# Altium PCB KlusterLab r2.0.PcbDoc (part 22 of 22)
Units mm, origin at the board's own origin, x right, y up, seen from the top; angles counter-clockwise.
Board outline 232 x 250 mm, 12 copper layers (L1 Top, L2 Inner1 (GND), L3 Inner2 (Sig), L4 Inner3 (GND), L5 Inner4 (PWR), L6 Inner5 (PWR), L7 Inner6 (PWR), L8 Inner7 (PWR), L9 Inner8 (GND), L10 Inner9 (Sig), L11 Inner10 (GND), L12 Bottom), stack 1.614 mm thick; 1169 components, 852 nets, 4679 pads, 5115 vias.
Unrouted connection lines stored in the file: 1.
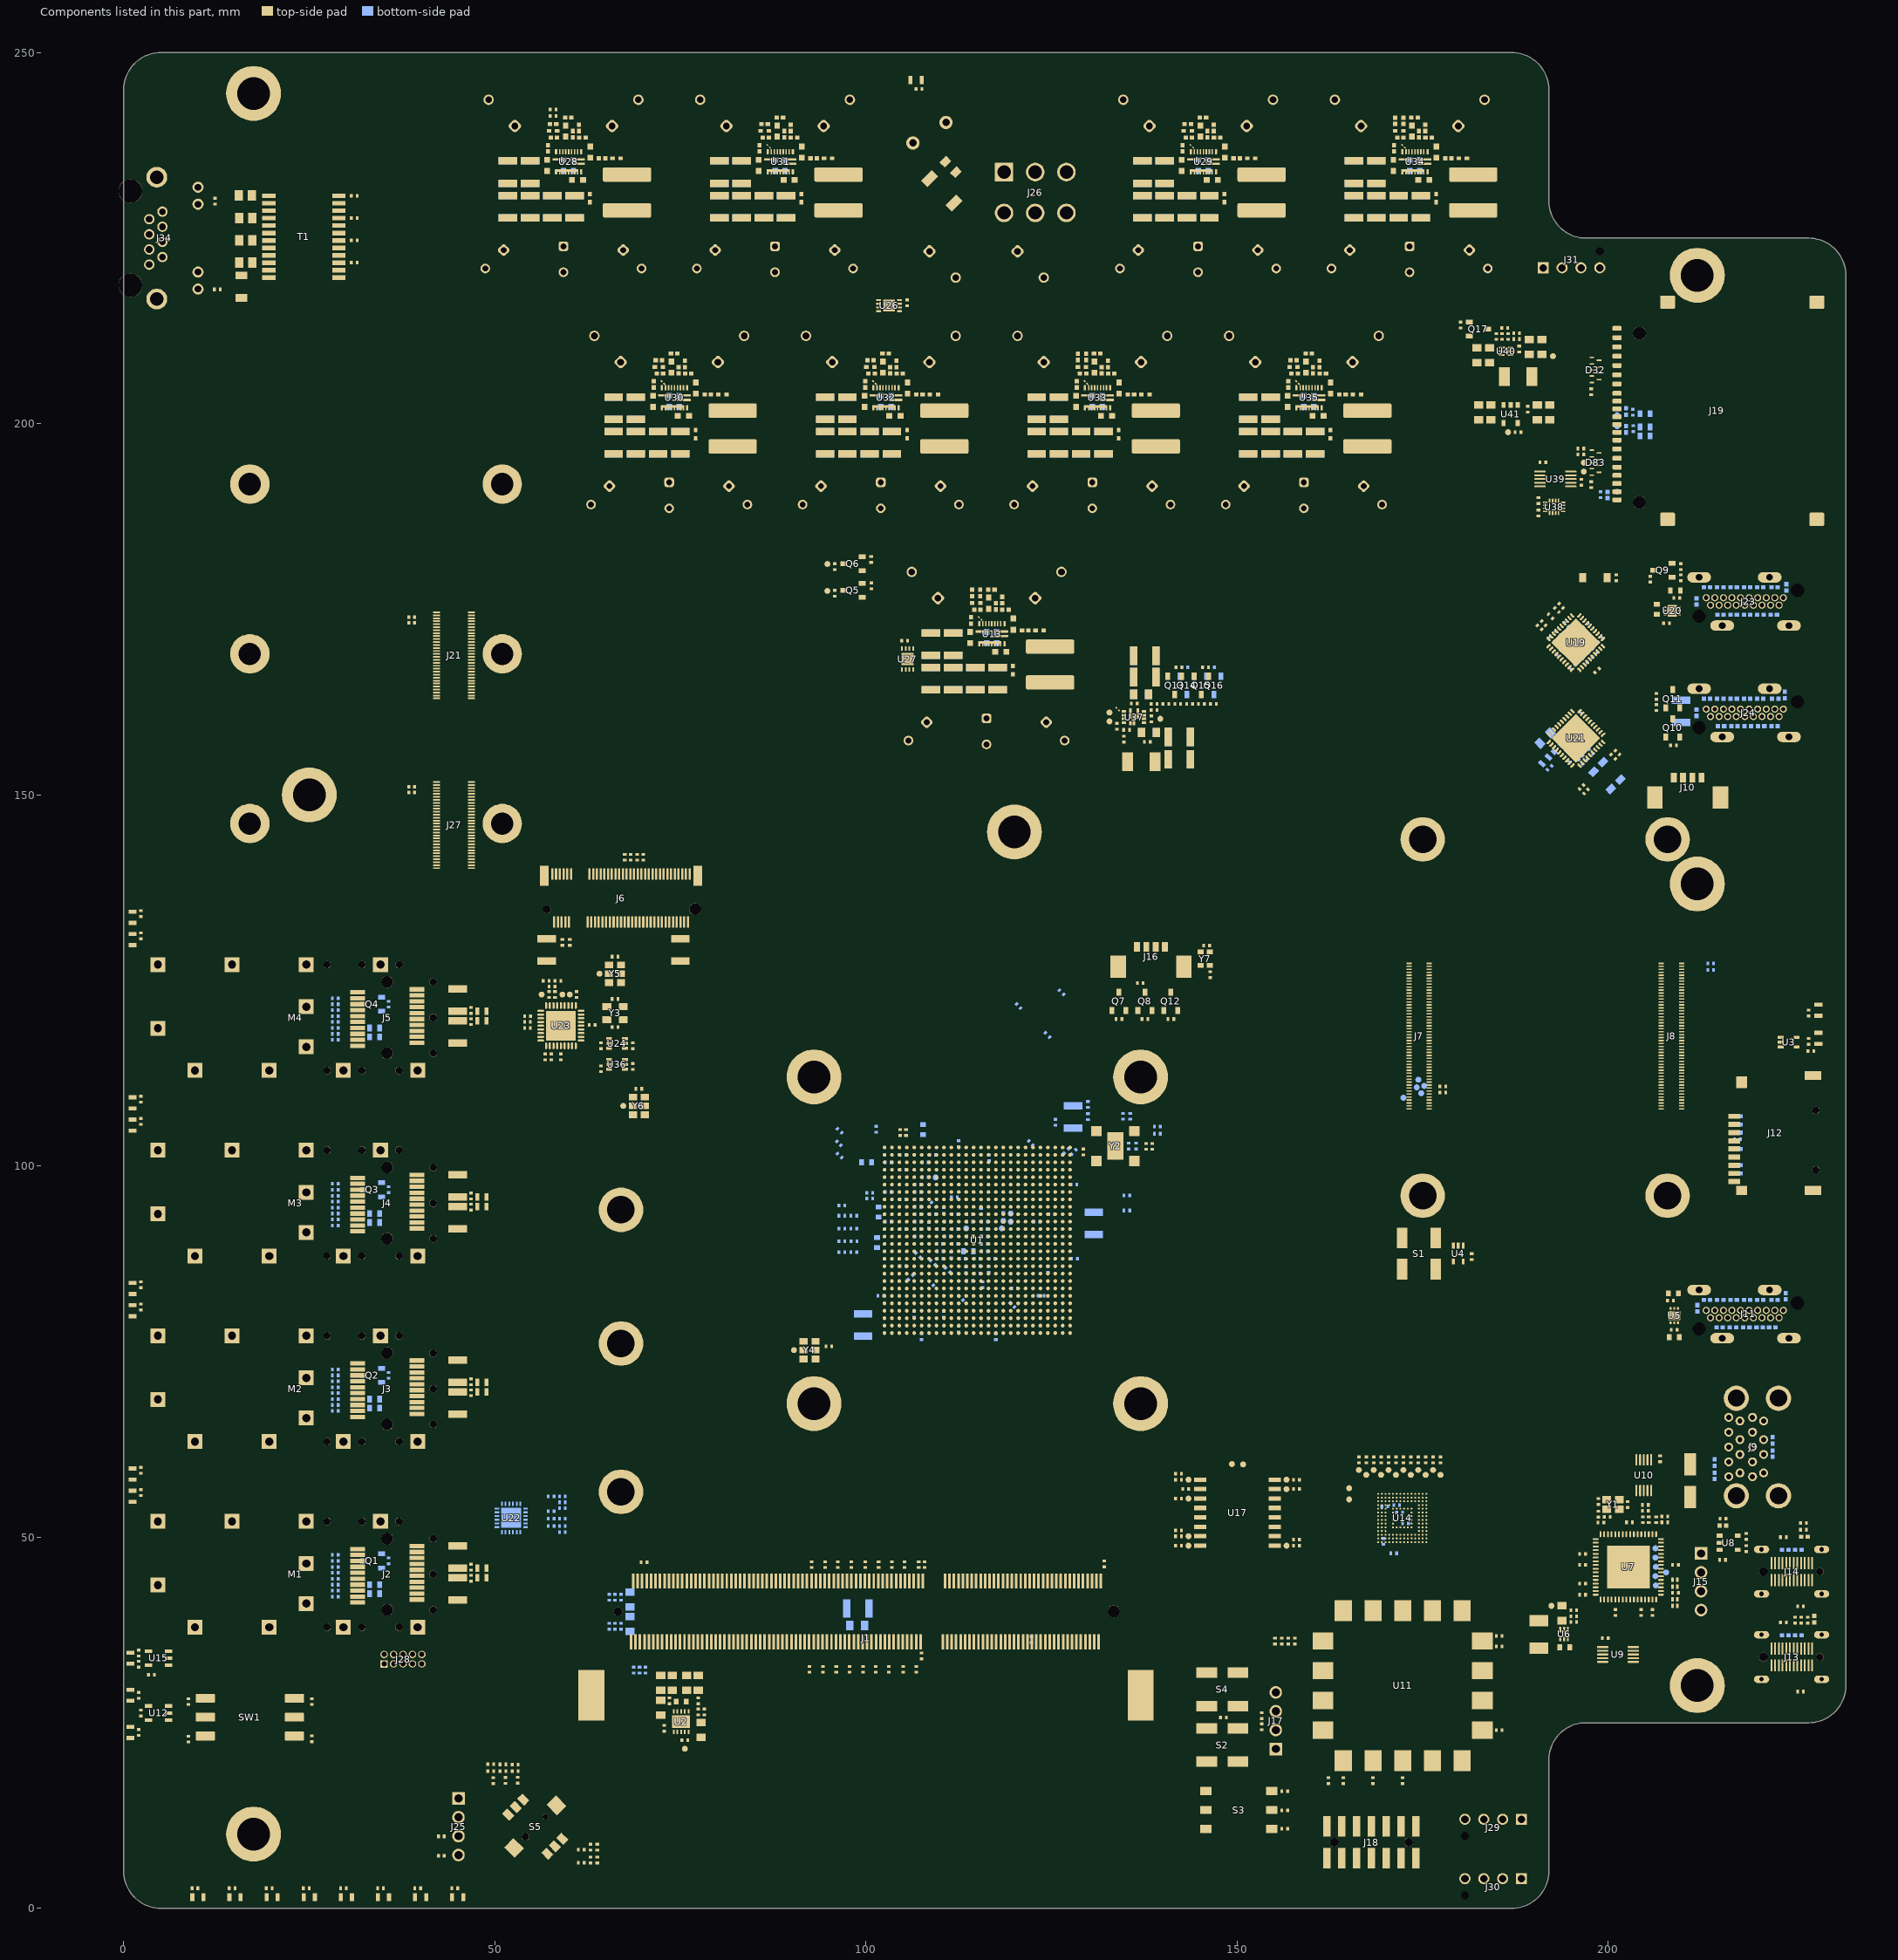
[diagram p32: the components of this part, seen from the top]

## Silkscreen, mask and mechanical layers (free items; w line width, h text height) (continued)
Drill Drawing:
  drawing of 185 lines, arcs and shapes, not listed
  text "Symbol" at 33.902,393.94 h1.83
  text "Count" at 46.751,393.94 h1.83
  text "Hole Size" at 63.511,393.94 h1.83
  text "Plated" at 93.22,393.94 h1.83
  text "Hole Type" at 106.069,393.94 h1.83
  text "Drill Layer Pair" at 124.708,393.94 h1.83
  text "Via/Pad" at 154.925,393.94 h1.83
  text "Pad Shape" at 169.907,393.94 h1.83
  text "2119" at 46.751,390.13 h1.52
  text "0,200mm (7,87mil)" at 63.511,390.13 h1.52
  text "PTH" at 93.22,390.13 h1.52
  text "Round" at 106.069,390.13 h1.52
  text "L1 Top - L12 Bottom" at 124.708,390.13 h1.52
  text "Via" at 154.925,390.13 h1.52
  text "Rounded" at 169.907,390.13 h1.52
  text "K" at 33.163,389.876 h1.69
  text "2088" at 46.751,386.32 h1.52
  text "0,200mm (7,87mil)" at 63.511,386.32 h1.52
  text "PTH" at 93.22,386.32 h1.52
  text "Round" at 106.069,386.32 h1.52
  text "L1 Top - L12 Bottom" at 124.708,386.32 h1.52
  text "Via" at 154.925,386.32 h1.52
  text "Rounded" at 169.907,386.32 h1.52
  text "J" at 33.163,386.066 h1.69
  text "896" at 46.751,382.51 h1.52
  text "0,300mm (11,81mil)" at 63.511,382.51 h1.52
  text "PTH" at 93.22,382.51 h1.52
  text "Round" at 106.069,382.51 h1.52
  text "L1 Top - L12 Bottom" at 124.708,382.51 h1.52
  text "Via" at 154.925,382.51 h1.52
  text "Rounded" at 169.907,382.51 h1.52
  text "C" at 33.163,382.256 h1.69
  text "12" at 46.751,378.7 h1.52
  text "0,300mm (11,81mil)" at 63.511,378.7 h1.52
  text "PTH" at 93.22,378.7 h1.52
  text "Round" at 106.069,378.7 h1.52
  text "L1 Top - L12 Bottom" at 124.708,378.7 h1.52
  text "Via" at 154.925,378.7 h1.52
  text "Rounded" at 169.907,378.7 h1.52
  text "H" at 33.163,378.446 h1.69
  text "57" at 46.751,374.89 h1.52
  text "0,600mm (23,62mil)" at 63.511,374.89 h1.52
  text "PTH" at 93.22,374.89 h1.52
  text "Round" at 106.069,374.89 h1.52
  text "L1 Top - L12 Bottom" at 124.708,374.89 h1.52
  text "Pad" at 154.925,374.89 h1.52
  text "Rounded" at 169.907,374.89 h1.52
  text "8" at 46.751,371.08 h1.52
  text "0,600mm (23,62mil)" at 63.511,371.08 h1.52
  text "PTH" at 93.22,371.08 h1.52
  text "Slot" at 106.069,371.08 h1.52
  text "L1 Top - L12 Bottom" at 124.708,371.08 h1.52
  text "Pad" at 154.925,371.08 h1.52
  text "Rounded" at 169.907,371.08 h1.52
  text "A" at 33.163,370.826 h1.69
  text "28" at 46.751,367.27 h1.52
  text "0,700mm (27,56mil)" at 63.511,367.27 h1.52
  text "PTH" at 93.22,367.27 h1.52
  text "Round" at 106.069,367.27 h1.52
  text "L1 Top - L12 Bottom" at 124.708,367.27 h1.52
  text "Pad" at 154.925,367.27 h1.52
  text "(Mixed)" at 169.907,367.27 h1.52
  text "1" at 46.751,363.46 h1.52
  text "0,750mm (29,53mil)" at 63.511,363.46 h1.52
  text "NPTH" at 93.22,363.46 h1.52
  text "Round" at 106.069,363.46 h1.52
  text "L1 Top - L12 Bottom" at 124.708,363.46 h1.52
  text "Pad" at 154.925,363.46 h1.52
  text "Rounded" at 169.907,363.46 h1.52
  text "54" at 46.751,359.65 h1.52
  text "0,800mm (31,50mil)" at 63.511,359.65 h1.52
  text "PTH" at 93.22,359.65 h1.52
  text "Round" at 106.069,359.65 h1.52
  text "L1 Top - L12 Bottom" at 124.708,359.65 h1.52
  text "Pad" at 154.925,359.65 h1.52
  text "(Mixed)" at 169.907,359.65 h1.52
  text "52" at 46.751,355.84 h1.52
  text "0,900mm (35,43mil)" at 63.511,355.84 h1.52
  text "PTH" at 93.22,355.84 h1.52
  text "Round" at 106.069,355.84 h1.52
  text "L1 Top - L12 Bottom" at 124.708,355.84 h1.52
  text "Pad" at 154.925,355.84 h1.52
  text "(Mixed)" at 169.907,355.84 h1.52
  text "12" at 46.751,352.03 h1.52
  text "0,900mm (35,43mil)" at 63.511,352.03 h1.52
  text "PTH" at 93.22,352.03 h1.52
  text "Slot" at 106.069,352.03 h1.52
  text "L1 Top - L12 Bottom" at 124.708,352.03 h1.52
  text "Pad" at 154.925,352.03 h1.52
  text "Rounded" at 169.907,352.03 h1.52
  text "40" at 46.751,348.22 h1.52
  text "1,000mm (39,37mil)" at 63.511,348.22 h1.52
  text "NPTH" at 93.22,348.22 h1.52
  text "Round" at 106.069,348.22 h1.52
  text "L1 Top - L12 Bottom" at 124.708,348.22 h1.52
  text "Pad" at 154.925,348.22 h1.52
  text "Rounded" at 169.907,348.22 h1.52
  text "14" at 46.751,344.41 h1.52
  text "1,000mm (39,37mil)" at 63.511,344.41 h1.52
  text "PTH" at 93.22,344.41 h1.52
  text "Round" at 106.069,344.41 h1.52
  text "L1 Top - L12 Bottom" at 124.708,344.41 h1.52
  text "Pad" at 154.925,344.41 h1.52
  text "(Mixed)" at 169.907,344.41 h1.52
  text "L" at 33.163,344.156 h1.69
  text "1" at 46.751,340.6 h1.52
  text "1,050mm (41,34mil)" at 63.511,340.6 h1.52
  text "NPTH" at 93.22,340.6 h1.52
  text "Round" at 106.069,340.6 h1.52
  text "L1 Top - L12 Bottom" at 124.708,340.6 h1.52
  text "Pad" at 154.925,340.6 h1.52
  text "Rounded" at 169.907,340.6 h1.52
  text "M" at 33.163,340.346 h1.69
  text "4" at 46.751,336.79 h1.52
  text "1,100mm (43,31mil)" at 63.511,336.79 h1.52
  text "NPTH" at 93.22,336.79 h1.52
  text "Round" at 106.069,336.79 h1.52
  text "L1 Top - L12 Bottom" at 124.708,336.79 h1.52
  text "Pad" at 154.925,336.79 h1.52
  text "(Mixed)" at 169.907,336.79 h1.52
  text "56" at 46.751,332.98 h1.52
  text "1,100mm (43,31mil)" at 63.511,332.98 h1.52
  text "PTH" at 93.22,332.98 h1.52
  text "Round" at 106.069,332.98 h1.52
  text "L1 Top - L12 Bottom" at 124.708,332.98 h1.52
  text "Pad" at 154.925,332.98 h1.52
  text "(Mixed)" at 169.907,332.98 h1.52
  text "1" at 46.751,329.17 h1.52
  text "1,150mm (45,28mil)" at 63.511,329.17 h1.52
  text "NPTH" at 93.22,329.17 h1.52
  text "Round" at 106.069,329.17 h1.52
  text "L1 Top - L12 Bottom" at 124.708,329.17 h1.52
  text "Pad" at 154.925,329.17 h1.52
  text "Rounded" at 169.907,329.17 h1.52
  text "D" at 33.163,328.916 h1.69
  text "4" at 46.751,325.36 h1.52
  text "1,200mm (47,24mil)" at 63.511,325.36 h1.52
  text "NPTH" at 93.22,325.36 h1.52
  text "Round" at 106.069,325.36 h1.52
  text "L1 Top - L12 Bottom" at 124.708,325.36 h1.52
  text "Pad" at 154.925,325.36 h1.52
  text "Rounded" at 169.907,325.36 h1.52
  text "F" at 33.163,325.106 h1.69
  text "9" at 46.751,321.55 h1.52
  text "1,600mm (62,99mil)" at 63.511,321.55 h1.52
  text "NPTH" at 93.22,321.55 h1.52
  text "Round" at 106.069,321.55 h1.52
  text "L1 Top - L12 Bottom" at 124.708,321.55 h1.52
  text "Pad" at 154.925,321.55 h1.52
  text "Rounded" at 169.907,321.55 h1.52
  text "1" at 46.751,317.74 h1.52
  text "1,650mm (64,96mil)" at 63.511,317.74 h1.52
  text "NPTH" at 93.22,317.74 h1.52
  text "Round" at 106.069,317.74 h1.52
  text "L1 Top - L12 Bottom" at 124.708,317.74 h1.52
  text "Pad" at 154.925,317.74 h1.52
  text "Rounded" at 169.907,317.74 h1.52
  text "E" at 33.163,317.486 h1.69
  text "2" at 46.751,313.93 h1.52
  text "1,750mm (68,90mil)" at 63.511,313.93 h1.52
  text "NPTH" at 93.22,313.93 h1.52
  text "Round" at 106.069,313.93 h1.52
  text "L1 Top - L12 Bottom" at 124.708,313.93 h1.52
  text "Pad" at 154.925,313.93 h1.52
  text "Rounded" at 169.907,313.93 h1.52
  text "B" at 33.163,313.676 h1.69
  text "6" at 46.751,310.12 h1.52
  text "1,800mm (70,87mil)" at 63.511,310.12 h1.52
  text "NPTH" at 93.22,310.12 h1.52
  text "Round" at 106.069,310.12 h1.52
  text "L1 Top - L12 Bottom" at 124.708,310.12 h1.52
  text "Pad" at 154.925,310.12 h1.52
  text "Rectangle" at 169.907,310.12 h1.52
  text "8" at 46.751,306.31 h1.52
  text "1,800mm (70,87mil)" at 63.511,306.31 h1.52
  text "PTH" at 93.22,306.31 h1.52
  text "Round" at 106.069,306.31 h1.52
  text "L1 Top - L12 Bottom" at 124.708,306.31 h1.52
  text "Pad" at 154.925,306.31 h1.52
  text "(Mixed)" at 169.907,306.31 h1.52
  text "4" at 46.751,302.5 h1.52
  text "2,300mm (90,55mil)" at 63.511,302.5 h1.52
  text "PTH" at 93.22,302.5 h1.52
  text "Round" at 106.069,302.5 h1.52
  text "L1 Top - L12 Bottom" at 124.708,302.5 h1.52
  text "Pad" at 154.925,302.5 h1.52
  text "Rounded" at 169.907,302.5 h1.52
  text "6" at 46.751,298.69 h1.52
  text "3,000mm (118,11mil)" at 63.511,298.69 h1.52
  text "PTH" at 93.22,298.69 h1.52
  text "Round" at 106.069,298.69 h1.52
  text "L1 Top - L12 Bottom" at 124.708,298.69 h1.52
  text "Pad" at 154.925,298.69 h1.52
  text "Rounded" at 169.907,298.69 h1.52
  text "I" at 33.445,298.436 h1.69
  text "2" at 46.751,294.88 h1.52
  text "3,200mm (125,98mil)" at 63.511,294.88 h1.52
  text "NPTH" at 93.22,294.88 h1.52
  text "Round" at 106.069,294.88 h1.52
  text "L1 Top - L12 Bottom" at 124.708,294.88 h1.52
  text "Pad" at 154.925,294.88 h1.52
  text "Rounded" at 169.907,294.88 h1.52
  text "7" at 46.751,291.07 h1.52
  text "3,700mm (145,67mil)" at 63.511,291.07 h1.52
  text "PTH" at 93.22,291.07 h1.52
  text "Round" at 106.069,291.07 h1.52
  text "L1 Top - L12 Bottom" at 124.708,291.07 h1.52
  text "Pad" at 154.925,291.07 h1.52
  text "Rounded" at 169.907,291.07 h1.52
  text "11" at 46.751,287.26 h1.52
  text "4,400mm (173,23mil)" at 63.511,287.26 h1.52
  text "PTH" at 93.22,287.26 h1.52
  text "Round" at 106.069,287.26 h1.52
  text "L1 Top - L12 Bottom" at 124.708,287.26 h1.52
  text "Pad" at 154.925,287.26 h1.52
  text "Rounded" at 169.907,287.26 h1.52
  text "G" at 33.163,287.006 h1.69
  text "5503 Total" at 46.751,283.45 h1.52
  text "Slot definitions :" at 33.902,279.768 h1.52
  text "Routed Path Length" at 60.132,279.768 h1.52
  text "= Calculated from tool start centre position to tool end centre position." at 88.14,279.768 h1.52
  text "Hole Length" at 60.132,277.228 h1.52
  text "= Routed Path Length + Tool Size = Slot length as defined in the PCB layout" at 77.729,277.228 h1.52

## Text inside footprints (layer, text, board x,y; h text height)
C60: Top Overlay "+" at 212.3,56.9 h1.5 r270
C260: Top Overlay "+" at 109.496,160.388 h1 r45
C264: Top Overlay "+" at 116.741,161.65 h1 r90
C265: Top Overlay "+" at 123.694,161.096 h1 r135
C302: Top Overlay "+" at 52.496,223.988 h1 r45
C303: Top Overlay "+" at 59.741,225.25 h1 r90
C304: Top Overlay "+" at 66.694,224.696 h1 r135
C329: Top Overlay "+" at 137.996,223.988 h1 r45
C330: Top Overlay "+" at 145.241,225.25 h1 r90
C331: Top Overlay "+" at 152.193,224.696 h1 r135
C356: Top Overlay "+" at 66.746,192.188 h1 r45
C357: Top Overlay "+" at 73.991,193.45 h1 r90
C358: Top Overlay "+" at 80.944,192.896 h1 r135
C383: Top Overlay "+" at 80.996,223.988 h1 r45
C384: Top Overlay "+" at 88.241,225.25 h1 r90
C385: Top Overlay "+" at 95.194,224.696 h1 r135
C410: Top Overlay "+" at 95.246,192.188 h1 r45
C411: Top Overlay "+" at 102.491,193.45 h1 r90
C412: Top Overlay "+" at 109.443,192.896 h1 r135
C444: Top Overlay "+" at 123.746,192.188 h1 r45
C445: Top Overlay "+" at 130.991,193.45 h1 r90
C446: Top Overlay "+" at 137.943,192.896 h1 r135
C471: Top Overlay "+" at 166.496,223.988 h1 r45
C472: Top Overlay "+" at 173.741,225.25 h1 r90
C473: Top Overlay "+" at 180.693,224.696 h1 r135
C498: Top Overlay "+" at 152.246,192.188 h1 r45
C499: Top Overlay "+" at 159.491,193.45 h1 r90
C500: Top Overlay "+" at 166.443,192.896 h1 r135
J1: Top Overlay "SO DIMM Socket" at 109.7,40.15 h2; Top Overlay "1" at 132.3,43.15 h1; Top Overlay "2" at 132.175,35.725 h1; Top Overlay "203" at 66.65,43.6 h1; Top Overlay "204" at 67.375,37.175 h1; Top Courtyard "LATCH AREA!" at 63.5,19.15 h1 r90; Top Courtyard "LATCH AREA!" at 137.9,19.15 h1 r90
J6: Top Overlay "B" at 57.262,135.606 h2.35; Top Overlay "M.2 NGFF B-Key" at 60.25,135.6 h2; Top Overlay "2" at 57.8,134.6 h1; Top Overlay "74" at 74.9,134.6 h1; Top Overlay "75" at 75.5,137.7 h1
J9: Top Overlay "2x USB3.0" at 225.184,57.948 h2 r90
J11: Top Overlay "19" at 212.847,81.204 h1; Top Overlay "1" at 223.347,81.204 h1; Top Overlay "HDMI" at 233.647,77.954 h2 r90
J12: Top Overlay "Micro SD" at 223.175,99.1 h2 r90
J23: Top Overlay "19" at 212.847,177.204 h1; Top Overlay "1" at 223.347,177.204 h1; Top Overlay "HDMI" at 233.647,173.954 h2 r90
J24: Top Overlay "HDMI" at 233.647,158.954 h2 r90; Top Overlay "1" at 223.347,162.204 h1; Top Overlay "19" at 212.847,162.204 h1
J34: Top Overlay "RJ45" at 7.899,226.95 h2 r270; Top Overlay "Y" at 7.549,231.3 h2 r270; Top Overlay "G" at 7.549,219.87 h2 r270
PC1: Top Courtyard "1" at 173.4,127.7 h1 r90; Top Courtyard "2" at 176.2,127.7 h1 r90; Top Courtyard "101" at 207.488,127.5 h1 r90; Top Courtyard "102" at 210.188,127.5 h1 r90
S5: Top Overlay "4" at 57.854,10.081 h1 r315; Top Overlay "3" at 52.312,11.68 h1 r315; Top Overlay "6" at 55.883,8.109 h1 r315; Top Overlay "1" at 54.283,13.722 h1 r315
T1: Top Overlay "10/100/1000Base-T" at 23.81,231 h1.5 r270